# KiCad board EOutside.kicad_pcb (continued)
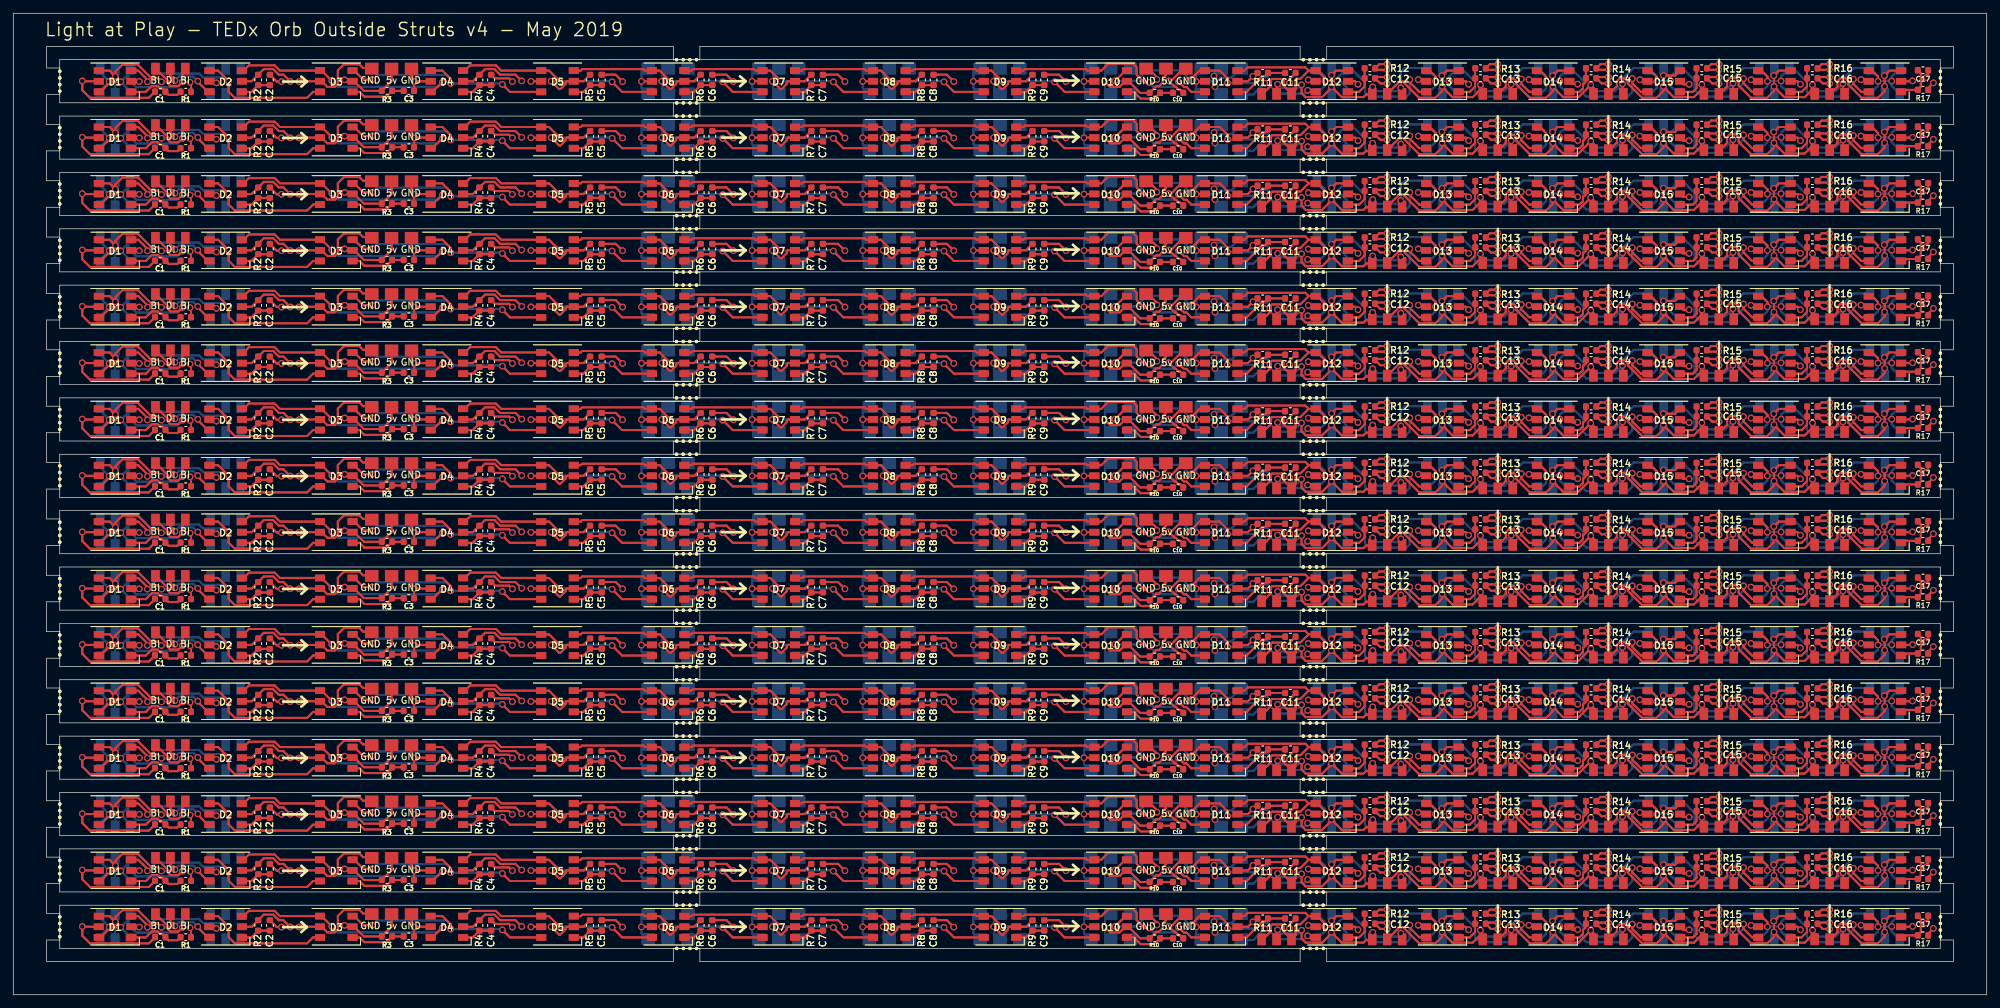
[diagram p0: board, top side]
## Placement (name value [footprint] x y rotation side) (continued)
C13#14  .1uF  [C_0603_1608Metric]  221.06 78.7 0 top
C13#15  .1uF  [C_0603_1608Metric]  221.06 95.7 0 top
C13#16  .1uF  [C_0603_1608Metric]  221.06 95.7 0 top
C13#17  .1uF  [C_0603_1608Metric]  221.06 53.2 0 top
C13#18  .1uF  [C_0603_1608Metric]  221.06 70.2 0 top
C13#19  .1uF  [C_0603_1608Metric]  221.06 44.7 0 top
C13#20  .1uF  [C_0603_1608Metric]  221.06 61.7 0 top
C13#21  .1uF  [C_0603_1608Metric]  221.06 70.2 0 top
C13#22  .1uF  [C_0603_1608Metric]  221.06 53.2 0 top
C13#23  .1uF  [C_0603_1608Metric]  221.06 44.7 0 top
C13#24  .1uF  [C_0603_1608Metric]  221.06 61.7 0 top
C13#25  .1uF  [C_0603_1608Metric]  221.06 27.7 0 top
C13#26  .1uF  [C_0603_1608Metric]  221.06 19.2 0 top
C13#27  .1uF  [C_0603_1608Metric]  221.06 10.7 0 top
C13#28  .1uF  [C_0603_1608Metric]  221.06 10.7 0 top
C13#29  .1uF  [C_0603_1608Metric]  221.06 19.2 0 top
C13#30  .1uF  [C_0603_1608Metric]  221.06 36.2 0 top
C13#31  .1uF  [C_0603_1608Metric]  221.06 27.7 0 top
C13#32  .1uF  [C_0603_1608Metric]  221.06 36.2 0 top
C14  .1uF  [C_0603_1608Metric]  237.73 138.2 0 top
C14#2  .1uF  [C_0603_1608Metric]  237.73 129.7 0 top
C14#3  .1uF  [C_0603_1608Metric]  237.73 121.2 0 top
C14#4  .1uF  [C_0603_1608Metric]  237.73 112.7 0 top
C14#5  .1uF  [C_0603_1608Metric]  237.73 121.2 0 top
C14#6  .1uF  [C_0603_1608Metric]  237.73 112.7 0 top
C14#7  .1uF  [C_0603_1608Metric]  237.73 138.2 0 top
C14#8  .1uF  [C_0603_1608Metric]  237.73 129.7 0 top
C14#9  .1uF  [C_0603_1608Metric]  237.73 87.2 0 top
C14#10  .1uF  [C_0603_1608Metric]  237.73 87.2 0 top
C14#11  .1uF  [C_0603_1608Metric]  237.73 78.7 0 top
C14#12  .1uF  [C_0603_1608Metric]  237.73 104.2 0 top
C14#13  .1uF  [C_0603_1608Metric]  237.73 104.2 0 top
C14#14  .1uF  [C_0603_1608Metric]  237.73 95.7 0 top
C14#15  .1uF  [C_0603_1608Metric]  237.73 78.7 0 top
C14#16  .1uF  [C_0603_1608Metric]  237.73 95.7 0 top
C14#17  .1uF  [C_0603_1608Metric]  237.73 53.2 0 top
C14#18  .1uF  [C_0603_1608Metric]  237.73 44.7 0 top
C14#19  .1uF  [C_0603_1608Metric]  237.73 70.2 0 top
C14#20  .1uF  [C_0603_1608Metric]  237.73 61.7 0 top
C14#21  .1uF  [C_0603_1608Metric]  237.73 70.2 0 top
C14#22  .1uF  [C_0603_1608Metric]  237.73 61.7 0 top
C14#23  .1uF  [C_0603_1608Metric]  237.73 44.7 0 top
C14#24  .1uF  [C_0603_1608Metric]  237.73 53.2 0 top
C14#25  .1uF  [C_0603_1608Metric]  237.73 27.7 0 top
C14#26  .1uF  [C_0603_1608Metric]  237.73 10.7 0 top
C14#27  .1uF  [C_0603_1608Metric]  237.73 10.7 0 top
C14#28  .1uF  [C_0603_1608Metric]  237.73 19.2 0 top
C14#29  .1uF  [C_0603_1608Metric]  237.73 36.2 0 top
C14#30  .1uF  [C_0603_1608Metric]  237.73 36.2 0 top
C14#31  .1uF  [C_0603_1608Metric]  237.73 27.7 0 top
C14#32  .1uF  [C_0603_1608Metric]  237.73 19.2 0 top
C15  .1uF  [C_0603_1608Metric]  254.4 138.2 0 top
C15#2  .1uF  [C_0603_1608Metric]  254.4 129.7 0 top
C15#3  .1uF  [C_0603_1608Metric]  254.4 121.2 0 top
C15#4  .1uF  [C_0603_1608Metric]  254.4 112.7 0 top
C15#5  .1uF  [C_0603_1608Metric]  254.4 121.2 0 top
C15#6  .1uF  [C_0603_1608Metric]  254.4 112.7 0 top
C15#7  .1uF  [C_0603_1608Metric]  254.4 138.2 0 top
C15#8  .1uF  [C_0603_1608Metric]  254.4 129.7 0 top
C15#9  .1uF  [C_0603_1608Metric]  254.4 87.2 0 top
C15#10  .1uF  [C_0603_1608Metric]  254.4 78.7 0 top
C15#11  .1uF  [C_0603_1608Metric]  254.4 104.2 0 top
C15#12  .1uF  [C_0603_1608Metric]  254.4 104.2 0 top
C15#13  .1uF  [C_0603_1608Metric]  254.4 87.2 0 top
C15#14  .1uF  [C_0603_1608Metric]  254.4 78.7 0 top
C15#15  .1uF  [C_0603_1608Metric]  254.4 95.7 0 top
C15#16  .1uF  [C_0603_1608Metric]  254.4 95.7 0 top
C15#17  .1uF  [C_0603_1608Metric]  254.4 53.2 0 top
C15#18  .1uF  [C_0603_1608Metric]  254.4 70.2 0 top
C15#19  .1uF  [C_0603_1608Metric]  254.4 70.2 0 top
C15#20  .1uF  [C_0603_1608Metric]  254.4 44.7 0 top
C15#21  .1uF  [C_0603_1608Metric]  254.4 61.7 0 top
C15#22  .1uF  [C_0603_1608Metric]  254.4 53.2 0 top
C15#23  .1uF  [C_0603_1608Metric]  254.4 44.7 0 top
C15#24  .1uF  [C_0603_1608Metric]  254.4 61.7 0 top
C15#25  .1uF  [C_0603_1608Metric]  254.4 27.7 0 top
C15#26  .1uF  [C_0603_1608Metric]  254.4 19.2 0 top
C15#27  .1uF  [C_0603_1608Metric]  254.4 10.7 0 top
C15#28  .1uF  [C_0603_1608Metric]  254.4 36.2 0 top
C15#29  .1uF  [C_0603_1608Metric]  254.4 10.7 0 top
C15#30  .1uF  [C_0603_1608Metric]  254.4 19.2 0 top
C15#31  .1uF  [C_0603_1608Metric]  254.4 36.2 0 top
C15#32  .1uF  [C_0603_1608Metric]  254.4 27.7 0 top
C16  .1uF  [C_0603_1608Metric]  271.06 138.2 0 top
C16#2  .1uF  [C_0603_1608Metric]  271.06 129.7 0 top
C16#3  .1uF  [C_0603_1608Metric]  271.06 121.2 0 top
C16#4  .1uF  [C_0603_1608Metric]  271.06 112.7 0 top
C16#5  .1uF  [C_0603_1608Metric]  271.06 121.2 0 top
C16#6  .1uF  [C_0603_1608Metric]  271.06 112.7 0 top
C16#7  .1uF  [C_0603_1608Metric]  271.06 138.2 0 top
C16#8  .1uF  [C_0603_1608Metric]  271.06 129.7 0 top
C16#9  .1uF  [C_0603_1608Metric]  271.06 87.2 0 top
C16#10  .1uF  [C_0603_1608Metric]  271.06 78.7 0 top
C16#11  .1uF  [C_0603_1608Metric]  271.06 104.2 0 top
C16#12  .1uF  [C_0603_1608Metric]  271.06 78.7 0 top
C16#13  .1uF  [C_0603_1608Metric]  271.06 95.7 0 top
C16#14  .1uF  [C_0603_1608Metric]  271.06 95.7 0 top
C16#15  .1uF  [C_0603_1608Metric]  271.06 104.2 0 top
C16#16  .1uF  [C_0603_1608Metric]  271.06 87.2 0 top
C16#17  .1uF  [C_0603_1608Metric]  271.06 44.7 0 top
C16#18  .1uF  [C_0603_1608Metric]  271.06 61.7 0 top
C16#19  .1uF  [C_0603_1608Metric]  271.06 61.7 0 top
C16#20  .1uF  [C_0603_1608Metric]  271.06 53.2 0 top
C16#21  .1uF  [C_0603_1608Metric]  271.06 44.7 0 top
C16#22  .1uF  [C_0603_1608Metric]  271.06 70.2 0 top
C16#23  .1uF  [C_0603_1608Metric]  271.06 53.2 0 top
C16#24  .1uF  [C_0603_1608Metric]  271.06 70.2 0 top
C16#25  .1uF  [C_0603_1608Metric]  271.06 27.7 0 top
C16#26  .1uF  [C_0603_1608Metric]  271.06 10.7 0 top
C16#27  .1uF  [C_0603_1608Metric]  271.06 19.2 0 top
C16#28  .1uF  [C_0603_1608Metric]  271.06 10.7 0 top
C16#29  .1uF  [C_0603_1608Metric]  271.06 36.2 0 top
C16#30  .1uF  [C_0603_1608Metric]  271.06 27.7 0 top
C16#31  .1uF  [C_0603_1608Metric]  271.06 36.2 0 top
C16#32  .1uF  [C_0603_1608Metric]  271.06 19.2 0 top
C17  .1uF  [C_0603_1608Metric]  287.73 139.4 0 top
C17#2  .1uF  [C_0603_1608Metric]  287.73 130.9 0 top
C17#3  .1uF  [C_0603_1608Metric]  287.73 122.4 0 top
C17#4  .1uF  [C_0603_1608Metric]  287.73 113.9 0 top
C17#5  .1uF  [C_0603_1608Metric]  287.73 122.4 0 top
C17#6  .1uF  [C_0603_1608Metric]  287.73 113.9 0 top
C17#7  .1uF  [C_0603_1608Metric]  287.73 139.4 0 top
C17#8  .1uF  [C_0603_1608Metric]  287.73 130.9 0 top
C17#9  .1uF  [C_0603_1608Metric]  287.73 88.4 0 top
C17#10  .1uF  [C_0603_1608Metric]  287.73 79.9 0 top
C17#11  .1uF  [C_0603_1608Metric]  287.73 105.4 0 top
C17#12  .1uF  [C_0603_1608Metric]  287.73 88.4 0 top
C17#13  .1uF  [C_0603_1608Metric]  287.73 96.9 0 top
C17#14  .1uF  [C_0603_1608Metric]  287.73 79.9 0 top
C17#15  .1uF  [C_0603_1608Metric]  287.73 105.4 0 top
C17#16  .1uF  [C_0603_1608Metric]  287.73 96.9 0 top
C17#17  .1uF  [C_0603_1608Metric]  287.73 45.9 0 top
C17#18  .1uF  [C_0603_1608Metric]  287.73 54.4 0 top
C17#19  .1uF  [C_0603_1608Metric]  287.73 54.4 0 top
C17#20  .1uF  [C_0603_1608Metric]  287.73 62.9 0 top
C17#21  .1uF  [C_0603_1608Metric]  287.73 62.9 0 top
C17#22  .1uF  [C_0603_1608Metric]  287.73 71.4 0 top
C17#23  .1uF  [C_0603_1608Metric]  287.73 45.9 0 top
C17#24  .1uF  [C_0603_1608Metric]  287.73 71.4 0 top
C17#25  .1uF  [C_0603_1608Metric]  287.73 20.4 0 top
C17#26  .1uF  [C_0603_1608Metric]  287.73 28.9 0 top
C17#27  .1uF  [C_0603_1608Metric]  287.73 20.4 0 top
C17#28  .1uF  [C_0603_1608Metric]  287.73 37.4 0 top
C17#29  .1uF  [C_0603_1608Metric]  287.73 11.9 0 top
C17#30  .1uF  [C_0603_1608Metric]  287.73 37.4 0 top
C17#31  .1uF  [C_0603_1608Metric]  287.73 11.9 0 top
C17#32  .1uF  [C_0603_1608Metric]  287.73 28.9 0 top
D1  WS2813  [LED_WS2812_PLCC6_5.0x5.0mm_P1.6mm]  15.33 137.75 180 top
D1#2  WS2813  [LED_WS2812_PLCC6_5.0x5.0mm_P1.6mm]  15.33 129.25 180 top
D1#3  WS2813  [LED_WS2812_PLCC6_5.0x5.0mm_P1.6mm]  15.33 112.25 180 top
D1#4  WS2813  [LED_WS2812_PLCC6_5.0x5.0mm_P1.6mm]  15.33 120.75 180 top
D1#5  WS2813  [LED_WS2812_PLCC6_5.0x5.0mm_P1.6mm]  15.33 112.25 180 top
D1#6  WS2813  [LED_WS2812_PLCC6_5.0x5.0mm_P1.6mm]  15.33 120.75 180 top
D1#7  WS2813  [LED_WS2812_PLCC6_5.0x5.0mm_P1.6mm]  15.33 129.25 180 top
D1#8  WS2813  [LED_WS2812_PLCC6_5.0x5.0mm_P1.6mm]  15.33 137.75 180 top
D1#9  WS2813  [LED_WS2812_PLCC6_5.0x5.0mm_P1.6mm]  15.33 78.25 180 top
D1#10  WS2813  [LED_WS2812_PLCC6_5.0x5.0mm_P1.6mm]  15.33 86.75 180 top
D1#11  WS2813  [LED_WS2812_PLCC6_5.0x5.0mm_P1.6mm]  15.33 95.25 180 top
D1#12  WS2813  [LED_WS2812_PLCC6_5.0x5.0mm_P1.6mm]  15.33 78.25 180 top
D1#13  WS2813  [LED_WS2812_PLCC6_5.0x5.0mm_P1.6mm]  15.33 95.25 180 top
D1#14  WS2813  [LED_WS2812_PLCC6_5.0x5.0mm_P1.6mm]  15.33 103.75 180 top
D1#15  WS2813  [LED_WS2812_PLCC6_5.0x5.0mm_P1.6mm]  15.33 103.75 180 top
D1#16  WS2813  [LED_WS2812_PLCC6_5.0x5.0mm_P1.6mm]  15.33 86.75 180 top
D1#17  WS2813  [LED_WS2812_PLCC6_5.0x5.0mm_P1.6mm]  15.33 61.25 180 top
D1#18  WS2813  [LED_WS2812_PLCC6_5.0x5.0mm_P1.6mm]  15.33 44.25 180 top
D1#19  WS2813  [LED_WS2812_PLCC6_5.0x5.0mm_P1.6mm]  15.33 61.25 180 top
D1#20  WS2813  [LED_WS2812_PLCC6_5.0x5.0mm_P1.6mm]  15.33 69.75 180 top
D1#21  WS2813  [LED_WS2812_PLCC6_5.0x5.0mm_P1.6mm]  15.33 69.75 180 top
D1#22  WS2813  [LED_WS2812_PLCC6_5.0x5.0mm_P1.6mm]  15.33 52.75 180 top
D1#23  WS2813  [LED_WS2812_PLCC6_5.0x5.0mm_P1.6mm]  15.33 44.25 180 top
D1#24  WS2813  [LED_WS2812_PLCC6_5.0x5.0mm_P1.6mm]  15.33 52.75 180 top
D1#25  WS2813  [LED_WS2812_PLCC6_5.0x5.0mm_P1.6mm]  15.33 35.75 180 top
D1#26  WS2813  [LED_WS2812_PLCC6_5.0x5.0mm_P1.6mm]  15.33 10.25 180 top
D1#27  WS2813  [LED_WS2812_PLCC6_5.0x5.0mm_P1.6mm]  15.33 27.25 180 top
D1#28  WS2813  [LED_WS2812_PLCC6_5.0x5.0mm_P1.6mm]  15.33 18.75 180 top
D1#29  WS2813  [LED_WS2812_PLCC6_5.0x5.0mm_P1.6mm]  15.33 27.25 180 top
D1#30  WS2813  [LED_WS2812_PLCC6_5.0x5.0mm_P1.6mm]  15.33 35.75 180 top
D1#31  WS2813  [LED_WS2812_PLCC6_5.0x5.0mm_P1.6mm]  15.33 18.75 180 top
D1#32  WS2813  [LED_WS2812_PLCC6_5.0x5.0mm_P1.6mm]  15.33 10.25 180 top
D2  WS2813  [LED_WS2812_PLCC6_5.0x5.0mm_P1.6mm]  32 137.75 180 top
D2#2  WS2813  [LED_WS2812_PLCC6_5.0x5.0mm_P1.6mm]  32 129.25 180 top
D2#3  WS2813  [LED_WS2812_PLCC6_5.0x5.0mm_P1.6mm]  32 120.75 180 top
D2#4  WS2813  [LED_WS2812_PLCC6_5.0x5.0mm_P1.6mm]  32 112.25 180 top
D2#5  WS2813  [LED_WS2812_PLCC6_5.0x5.0mm_P1.6mm]  32 120.75 180 top
D2#6  WS2813  [LED_WS2812_PLCC6_5.0x5.0mm_P1.6mm]  32 112.25 180 top
D2#7  WS2813  [LED_WS2812_PLCC6_5.0x5.0mm_P1.6mm]  32 137.75 180 top
D2#8  WS2813  [LED_WS2812_PLCC6_5.0x5.0mm_P1.6mm]  32 129.25 180 top
D2#9  WS2813  [LED_WS2812_PLCC6_5.0x5.0mm_P1.6mm]  32 86.75 180 top
D2#10  WS2813  [LED_WS2812_PLCC6_5.0x5.0mm_P1.6mm]  32 86.75 180 top
D2#11  WS2813  [LED_WS2812_PLCC6_5.0x5.0mm_P1.6mm]  32 78.25 180 top
D2#12  WS2813  [LED_WS2812_PLCC6_5.0x5.0mm_P1.6mm]  32 103.75 180 top
D2#13  WS2813  [LED_WS2812_PLCC6_5.0x5.0mm_P1.6mm]  32 103.75 180 top
D2#14  WS2813  [LED_WS2812_PLCC6_5.0x5.0mm_P1.6mm]  32 95.25 180 top
D2#15  WS2813  [LED_WS2812_PLCC6_5.0x5.0mm_P1.6mm]  32 78.25 180 top
D2#16  WS2813  [LED_WS2812_PLCC6_5.0x5.0mm_P1.6mm]  32 95.25 180 top
D2#17  WS2813  [LED_WS2812_PLCC6_5.0x5.0mm_P1.6mm]  32 52.75 180 top
D2#18  WS2813  [LED_WS2812_PLCC6_5.0x5.0mm_P1.6mm]  32 44.25 180 top
D2#19  WS2813  [LED_WS2812_PLCC6_5.0x5.0mm_P1.6mm]  32 69.75 180 top
D2#20  WS2813  [LED_WS2812_PLCC6_5.0x5.0mm_P1.6mm]  32 61.25 180 top
D2#21  WS2813  [LED_WS2812_PLCC6_5.0x5.0mm_P1.6mm]  32 44.25 180 top
D2#22  WS2813  [LED_WS2812_PLCC6_5.0x5.0mm_P1.6mm]  32 69.75 180 top
D2#23  WS2813  [LED_WS2812_PLCC6_5.0x5.0mm_P1.6mm]  32 61.25 180 top
D2#24  WS2813  [LED_WS2812_PLCC6_5.0x5.0mm_P1.6mm]  32 52.75 180 top
D2#25  WS2813  [LED_WS2812_PLCC6_5.0x5.0mm_P1.6mm]  32 27.25 180 top
D2#26  WS2813  [LED_WS2812_PLCC6_5.0x5.0mm_P1.6mm]  32 10.25 180 top
D2#27  WS2813  [LED_WS2812_PLCC6_5.0x5.0mm_P1.6mm]  32 10.25 180 top
D2#28  WS2813  [LED_WS2812_PLCC6_5.0x5.0mm_P1.6mm]  32 18.75 180 top
D2#29  WS2813  [LED_WS2812_PLCC6_5.0x5.0mm_P1.6mm]  32 18.75 180 top
D2#30  WS2813  [LED_WS2812_PLCC6_5.0x5.0mm_P1.6mm]  32 35.75 180 top
D2#31  WS2813  [LED_WS2812_PLCC6_5.0x5.0mm_P1.6mm]  32 27.25 180 top
D2#32  WS2813  [LED_WS2812_PLCC6_5.0x5.0mm_P1.6mm]  32 35.75 180 top
D3  WS2813  [LED_WS2812_PLCC6_5.0x5.0mm_P1.6mm]  48.67 137.75 180 top
D3#2  WS2813  [LED_WS2812_PLCC6_5.0x5.0mm_P1.6mm]  48.67 129.25 180 top
D3#3  WS2813  [LED_WS2812_PLCC6_5.0x5.0mm_P1.6mm]  48.67 120.75 180 top
D3#4  WS2813  [LED_WS2812_PLCC6_5.0x5.0mm_P1.6mm]  48.67 112.25 180 top
D3#5  WS2813  [LED_WS2812_PLCC6_5.0x5.0mm_P1.6mm]  48.67 120.75 180 top
D3#6  WS2813  [LED_WS2812_PLCC6_5.0x5.0mm_P1.6mm]  48.67 112.25 180 top
D3#7  WS2813  [LED_WS2812_PLCC6_5.0x5.0mm_P1.6mm]  48.67 137.75 180 top
D3#8  WS2813  [LED_WS2812_PLCC6_5.0x5.0mm_P1.6mm]  48.67 129.25 180 top
D3#9  WS2813  [LED_WS2812_PLCC6_5.0x5.0mm_P1.6mm]  48.67 86.75 180 top
D3#10  WS2813  [LED_WS2812_PLCC6_5.0x5.0mm_P1.6mm]  48.67 78.25 180 top
D3#11  WS2813  [LED_WS2812_PLCC6_5.0x5.0mm_P1.6mm]  48.67 103.75 180 top
D3#12  WS2813  [LED_WS2812_PLCC6_5.0x5.0mm_P1.6mm]  48.67 103.75 180 top
D3#13  WS2813  [LED_WS2812_PLCC6_5.0x5.0mm_P1.6mm]  48.67 95.25 180 top
D3#14  WS2813  [LED_WS2812_PLCC6_5.0x5.0mm_P1.6mm]  48.67 86.75 180 top
D3#15  WS2813  [LED_WS2812_PLCC6_5.0x5.0mm_P1.6mm]  48.67 95.25 180 top
D3#16  WS2813  [LED_WS2812_PLCC6_5.0x5.0mm_P1.6mm]  48.67 78.25 180 top
D3#17  WS2813  [LED_WS2812_PLCC6_5.0x5.0mm_P1.6mm]  48.67 44.25 180 top
D3#18  WS2813  [LED_WS2812_PLCC6_5.0x5.0mm_P1.6mm]  48.67 69.75 180 top
D3#19  WS2813  [LED_WS2812_PLCC6_5.0x5.0mm_P1.6mm]  48.67 61.25 180 top
D3#20  WS2813  [LED_WS2812_PLCC6_5.0x5.0mm_P1.6mm]  48.67 69.75 180 top
D3#21  WS2813  [LED_WS2812_PLCC6_5.0x5.0mm_P1.6mm]  48.67 44.25 180 top
D3#22  WS2813  [LED_WS2812_PLCC6_5.0x5.0mm_P1.6mm]  48.67 61.25 180 top
D3#23  WS2813  [LED_WS2812_PLCC6_5.0x5.0mm_P1.6mm]  48.67 52.75 180 top
D3#24  WS2813  [LED_WS2812_PLCC6_5.0x5.0mm_P1.6mm]  48.67 52.75 180 top
D3#25  WS2813  [LED_WS2812_PLCC6_5.0x5.0mm_P1.6mm]  48.67 27.25 180 top
D3#26  WS2813  [LED_WS2812_PLCC6_5.0x5.0mm_P1.6mm]  48.67 18.75 180 top
D3#27  WS2813  [LED_WS2812_PLCC6_5.0x5.0mm_P1.6mm]  48.67 35.75 180 top
D3#28  WS2813  [LED_WS2812_PLCC6_5.0x5.0mm_P1.6mm]  48.67 10.25 180 top
D3#29  WS2813  [LED_WS2812_PLCC6_5.0x5.0mm_P1.6mm]  48.67 35.75 180 top
D3#30  WS2813  [LED_WS2812_PLCC6_5.0x5.0mm_P1.6mm]  48.67 27.25 180 top
D3#31  WS2813  [LED_WS2812_PLCC6_5.0x5.0mm_P1.6mm]  48.67 18.75 180 top
D3#32  WS2813  [LED_WS2812_PLCC6_5.0x5.0mm_P1.6mm]  48.67 10.25 180 top
D4  WS2813  [LED_WS2812_PLCC6_5.0x5.0mm_P1.6mm]  65.33 137.75 180 top
D4#2  WS2813  [LED_WS2812_PLCC6_5.0x5.0mm_P1.6mm]  65.33 129.25 180 top
D4#3  WS2813  [LED_WS2812_PLCC6_5.0x5.0mm_P1.6mm]  65.33 120.75 180 top
D4#4  WS2813  [LED_WS2812_PLCC6_5.0x5.0mm_P1.6mm]  65.33 112.25 180 top
D4#5  WS2813  [LED_WS2812_PLCC6_5.0x5.0mm_P1.6mm]  65.33 120.75 180 top
D4#6  WS2813  [LED_WS2812_PLCC6_5.0x5.0mm_P1.6mm]  65.33 137.75 180 top
D4#7  WS2813  [LED_WS2812_PLCC6_5.0x5.0mm_P1.6mm]  65.33 129.25 180 top
D4#8  WS2813  [LED_WS2812_PLCC6_5.0x5.0mm_P1.6mm]  65.33 112.25 180 top
D4#9  WS2813  [LED_WS2812_PLCC6_5.0x5.0mm_P1.6mm]  65.33 86.75 180 top
D4#10  WS2813  [LED_WS2812_PLCC6_5.0x5.0mm_P1.6mm]  65.33 103.75 180 top
D4#11  WS2813  [LED_WS2812_PLCC6_5.0x5.0mm_P1.6mm]  65.33 95.25 180 top
D4#12  WS2813  [LED_WS2812_PLCC6_5.0x5.0mm_P1.6mm]  65.33 103.75 180 top
D4#13  WS2813  [LED_WS2812_PLCC6_5.0x5.0mm_P1.6mm]  65.33 95.25 180 top
D4#14  WS2813  [LED_WS2812_PLCC6_5.0x5.0mm_P1.6mm]  65.33 78.25 180 top
D4#15  WS2813  [LED_WS2812_PLCC6_5.0x5.0mm_P1.6mm]  65.33 78.25 180 top
D4#16  WS2813  [LED_WS2812_PLCC6_5.0x5.0mm_P1.6mm]  65.33 86.75 180 top
D4#17  WS2813  [LED_WS2812_PLCC6_5.0x5.0mm_P1.6mm]  65.33 61.25 180 top
D4#18  WS2813  [LED_WS2812_PLCC6_5.0x5.0mm_P1.6mm]  65.33 52.75 180 top
D4#19  WS2813  [LED_WS2812_PLCC6_5.0x5.0mm_P1.6mm]  65.33 69.75 180 top
D4#20  WS2813  [LED_WS2812_PLCC6_5.0x5.0mm_P1.6mm]  65.33 61.25 180 top
D4#21  WS2813  [LED_WS2812_PLCC6_5.0x5.0mm_P1.6mm]  65.33 44.25 180 top
D4#22  WS2813  [LED_WS2812_PLCC6_5.0x5.0mm_P1.6mm]  65.33 52.75 180 top
D4#23  WS2813  [LED_WS2812_PLCC6_5.0x5.0mm_P1.6mm]  65.33 44.25 180 top
D4#24  WS2813  [LED_WS2812_PLCC6_5.0x5.0mm_P1.6mm]  65.33 69.75 180 top
D4#25  WS2813  [LED_WS2812_PLCC6_5.0x5.0mm_P1.6mm]  65.33 27.25 180 top
D4#26  WS2813  [LED_WS2812_PLCC6_5.0x5.0mm_P1.6mm]  65.33 35.75 180 top
D4#27  WS2813  [LED_WS2812_PLCC6_5.0x5.0mm_P1.6mm]  65.33 35.75 180 top
D4#28  WS2813  [LED_WS2812_PLCC6_5.0x5.0mm_P1.6mm]  65.33 27.25 180 top
D4#29  WS2813  [LED_WS2812_PLCC6_5.0x5.0mm_P1.6mm]  65.33 10.25 180 top
D4#30  WS2813  [LED_WS2812_PLCC6_5.0x5.0mm_P1.6mm]  65.33 18.75 180 top
D4#31  WS2813  [LED_WS2812_PLCC6_5.0x5.0mm_P1.6mm]  65.33 10.25 180 top
D4#32  WS2813  [LED_WS2812_PLCC6_5.0x5.0mm_P1.6mm]  65.33 18.75 180 top
D5  WS2813  [LED_WS2812_PLCC6_5.0x5.0mm_P1.6mm]  82 137.75 180 top
D5#2  WS2813  [LED_WS2812_PLCC6_5.0x5.0mm_P1.6mm]  82 129.25 180 top
D5#3  WS2813  [LED_WS2812_PLCC6_5.0x5.0mm_P1.6mm]  82 120.75 180 top
D5#4  WS2813  [LED_WS2812_PLCC6_5.0x5.0mm_P1.6mm]  82 112.25 180 top
D5#5  WS2813  [LED_WS2812_PLCC6_5.0x5.0mm_P1.6mm]  82 112.25 180 top
D5#6  WS2813  [LED_WS2812_PLCC6_5.0x5.0mm_P1.6mm]  82 120.75 180 top
D5#7  WS2813  [LED_WS2812_PLCC6_5.0x5.0mm_P1.6mm]  82 137.75 180 top
D5#8  WS2813  [LED_WS2812_PLCC6_5.0x5.0mm_P1.6mm]  82 129.25 180 top
D5#9  WS2813  [LED_WS2812_PLCC6_5.0x5.0mm_P1.6mm]  82 78.25 180 top
D5#10  WS2813  [LED_WS2812_PLCC6_5.0x5.0mm_P1.6mm]  82 86.75 180 top
D5#11  WS2813  [LED_WS2812_PLCC6_5.0x5.0mm_P1.6mm]  82 103.75 180 top
D5#12  WS2813  [LED_WS2812_PLCC6_5.0x5.0mm_P1.6mm]  82 78.25 180 top
D5#13  WS2813  [LED_WS2812_PLCC6_5.0x5.0mm_P1.6mm]  82 86.75 180 top
D5#14  WS2813  [LED_WS2812_PLCC6_5.0x5.0mm_P1.6mm]  82 103.75 180 top
D5#15  WS2813  [LED_WS2812_PLCC6_5.0x5.0mm_P1.6mm]  82 95.25 180 top
D5#16  WS2813  [LED_WS2812_PLCC6_5.0x5.0mm_P1.6mm]  82 95.25 180 top
D5#17  WS2813  [LED_WS2812_PLCC6_5.0x5.0mm_P1.6mm]  82 44.25 180 top
D5#18  WS2813  [LED_WS2812_PLCC6_5.0x5.0mm_P1.6mm]  82 52.75 180 top
D5#19  WS2813  [LED_WS2812_PLCC6_5.0x5.0mm_P1.6mm]  82 69.75 180 top
D5#20  WS2813  [LED_WS2812_PLCC6_5.0x5.0mm_P1.6mm]  82 44.25 180 top
D5#21  WS2813  [LED_WS2812_PLCC6_5.0x5.0mm_P1.6mm]  82 52.75 180 top
D5#22  WS2813  [LED_WS2812_PLCC6_5.0x5.0mm_P1.6mm]  82 61.25 180 top
D5#23  WS2813  [LED_WS2812_PLCC6_5.0x5.0mm_P1.6mm]  82 61.25 180 top
D5#24  WS2813  [LED_WS2812_PLCC6_5.0x5.0mm_P1.6mm]  82 69.75 180 top
D5#25  WS2813  [LED_WS2812_PLCC6_5.0x5.0mm_P1.6mm]  82 18.75 180 top
D5#26  WS2813  [LED_WS2812_PLCC6_5.0x5.0mm_P1.6mm]  82 27.25 180 top
D5#27  WS2813  [LED_WS2812_PLCC6_5.0x5.0mm_P1.6mm]  82 10.25 180 top
D5#28  WS2813  [LED_WS2812_PLCC6_5.0x5.0mm_P1.6mm]  82 18.75 180 top
D5#29  WS2813  [LED_WS2812_PLCC6_5.0x5.0mm_P1.6mm]  82 35.75 180 top
D5#30  WS2813  [LED_WS2812_PLCC6_5.0x5.0mm_P1.6mm]  82 27.25 180 top
D5#31  WS2813  [LED_WS2812_PLCC6_5.0x5.0mm_P1.6mm]  82 35.75 180 top
D5#32  WS2813  [LED_WS2812_PLCC6_5.0x5.0mm_P1.6mm]  82 10.25 180 top
D6  WS2813  [LED_WS2812_PLCC6_5.0x5.0mm_P1.6mm]  98.67 137.75 180 top
D6#2  WS2813  [LED_WS2812_PLCC6_5.0x5.0mm_P1.6mm]  98.67 129.25 180 top
D6#3  WS2813  [LED_WS2812_PLCC6_5.0x5.0mm_P1.6mm]  98.67 112.25 180 top
D6#4  WS2813  [LED_WS2812_PLCC6_5.0x5.0mm_P1.6mm]  98.67 120.75 180 top
D6#5  WS2813  [LED_WS2812_PLCC6_5.0x5.0mm_P1.6mm]  98.67 112.25 180 top
D6#6  WS2813  [LED_WS2812_PLCC6_5.0x5.0mm_P1.6mm]  98.67 120.75 180 top
D6#7  WS2813  [LED_WS2812_PLCC6_5.0x5.0mm_P1.6mm]  98.67 129.25 180 top
D6#8  WS2813  [LED_WS2812_PLCC6_5.0x5.0mm_P1.6mm]  98.67 137.75 180 top
D6#9  WS2813  [LED_WS2812_PLCC6_5.0x5.0mm_P1.6mm]  98.67 78.25 180 top
D6#10  WS2813  [LED_WS2812_PLCC6_5.0x5.0mm_P1.6mm]  98.67 86.75 180 top
D6#11  WS2813  [LED_WS2812_PLCC6_5.0x5.0mm_P1.6mm]  98.67 78.25 180 top
D6#12  WS2813  [LED_WS2812_PLCC6_5.0x5.0mm_P1.6mm]  98.67 86.75 180 top
D6#13  WS2813  [LED_WS2812_PLCC6_5.0x5.0mm_P1.6mm]  98.67 95.25 180 top
D6#14  WS2813  [LED_WS2812_PLCC6_5.0x5.0mm_P1.6mm]  98.67 103.75 180 top
D6#15  WS2813  [LED_WS2812_PLCC6_5.0x5.0mm_P1.6mm]  98.67 103.75 180 top
D6#16  WS2813  [LED_WS2812_PLCC6_5.0x5.0mm_P1.6mm]  98.67 95.25 180 top
D6#17  WS2813  [LED_WS2812_PLCC6_5.0x5.0mm_P1.6mm]  98.67 52.75 180 top
D6#18  WS2813  [LED_WS2812_PLCC6_5.0x5.0mm_P1.6mm]  98.67 44.25 180 top
D6#19  WS2813  [LED_WS2812_PLCC6_5.0x5.0mm_P1.6mm]  98.67 61.25 180 top
D6#20  WS2813  [LED_WS2812_PLCC6_5.0x5.0mm_P1.6mm]  98.67 69.75 180 top
D6#21  WS2813  [LED_WS2812_PLCC6_5.0x5.0mm_P1.6mm]  98.67 69.75 180 top
D6#22  WS2813  [LED_WS2812_PLCC6_5.0x5.0mm_P1.6mm]  98.67 61.25 180 top
D6#23  WS2813  [LED_WS2812_PLCC6_5.0x5.0mm_P1.6mm]  98.67 52.75 180 top
D6#24  WS2813  [LED_WS2812_PLCC6_5.0x5.0mm_P1.6mm]  98.67 44.25 180 top
D6#25  WS2813  [LED_WS2812_PLCC6_5.0x5.0mm_P1.6mm]  98.67 18.75 180 top
D6#26  WS2813  [LED_WS2812_PLCC6_5.0x5.0mm_P1.6mm]  98.67 35.75 180 top
D6#27  WS2813  [LED_WS2812_PLCC6_5.0x5.0mm_P1.6mm]  98.67 27.25 180 top
D6#28  WS2813  [LED_WS2812_PLCC6_5.0x5.0mm_P1.6mm]  98.67 10.25 180 top
D6#29  WS2813  [LED_WS2812_PLCC6_5.0x5.0mm_P1.6mm]  98.67 27.25 180 top
D6#30  WS2813  [LED_WS2812_PLCC6_5.0x5.0mm_P1.6mm]  98.67 35.75 180 top
D6#31  WS2813  [LED_WS2812_PLCC6_5.0x5.0mm_P1.6mm]  98.67 18.75 180 top
D6#32  WS2813  [LED_WS2812_PLCC6_5.0x5.0mm_P1.6mm]  98.67 10.25 180 top
D7  WS2813  [LED_WS2812_PLCC6_5.0x5.0mm_P1.6mm]  115.33 137.75 180 top
D7#2  WS2813  [LED_WS2812_PLCC6_5.0x5.0mm_P1.6mm]  115.33 129.25 180 top
D7#3  WS2813  [LED_WS2812_PLCC6_5.0x5.0mm_P1.6mm]  115.33 120.75 180 top
D7#4  WS2813  [LED_WS2812_PLCC6_5.0x5.0mm_P1.6mm]  115.33 112.25 180 top
D7#5  WS2813  [LED_WS2812_PLCC6_5.0x5.0mm_P1.6mm]  115.33 120.75 180 top
D7#6  WS2813  [LED_WS2812_PLCC6_5.0x5.0mm_P1.6mm]  115.33 112.25 180 top
D7#7  WS2813  [LED_WS2812_PLCC6_5.0x5.0mm_P1.6mm]  115.33 137.75 180 top
D7#8  WS2813  [LED_WS2812_PLCC6_5.0x5.0mm_P1.6mm]  115.33 129.25 180 top
D7#9  WS2813  [LED_WS2812_PLCC6_5.0x5.0mm_P1.6mm]  115.33 86.75 180 top
D7#10  WS2813  [LED_WS2812_PLCC6_5.0x5.0mm_P1.6mm]  115.33 78.25 180 top
D7#11  WS2813  [LED_WS2812_PLCC6_5.0x5.0mm_P1.6mm]  115.33 78.25 180 top
D7#12  WS2813  [LED_WS2812_PLCC6_5.0x5.0mm_P1.6mm]  115.33 86.75 180 top
D7#13  WS2813  [LED_WS2812_PLCC6_5.0x5.0mm_P1.6mm]  115.33 103.75 180 top
D7#14  WS2813  [LED_WS2812_PLCC6_5.0x5.0mm_P1.6mm]  115.33 103.75 180 top
D7#15  WS2813  [LED_WS2812_PLCC6_5.0x5.0mm_P1.6mm]  115.33 95.25 180 top
D7#16  WS2813  [LED_WS2812_PLCC6_5.0x5.0mm_P1.6mm]  115.33 95.25 180 top
D7#17  WS2813  [LED_WS2812_PLCC6_5.0x5.0mm_P1.6mm]  115.33 69.75 180 top
D7#18  WS2813  [LED_WS2812_PLCC6_5.0x5.0mm_P1.6mm]  115.33 44.25 180 top
D7#19  WS2813  [LED_WS2812_PLCC6_5.0x5.0mm_P1.6mm]  115.33 44.25 180 top
D7#20  WS2813  [LED_WS2812_PLCC6_5.0x5.0mm_P1.6mm]  115.33 69.75 180 top
D7#21  WS2813  [LED_WS2812_PLCC6_5.0x5.0mm_P1.6mm]  115.33 61.25 180 top
D7#22  WS2813  [LED_WS2812_PLCC6_5.0x5.0mm_P1.6mm]  115.33 52.75 180 top
D7#23  WS2813  [LED_WS2812_PLCC6_5.0x5.0mm_P1.6mm]  115.33 61.25 180 top
D7#24  WS2813  [LED_WS2812_PLCC6_5.0x5.0mm_P1.6mm]  115.33 52.75 180 top
D7#25  WS2813  [LED_WS2812_PLCC6_5.0x5.0mm_P1.6mm]  115.33 35.75 180 top
D7#26  WS2813  [LED_WS2812_PLCC6_5.0x5.0mm_P1.6mm]  115.33 35.75 180 top
D7#27  WS2813  [LED_WS2812_PLCC6_5.0x5.0mm_P1.6mm]  115.33 10.25 180 top
D7#28  WS2813  [LED_WS2812_PLCC6_5.0x5.0mm_P1.6mm]  115.33 27.25 180 top
D7#29  WS2813  [LED_WS2812_PLCC6_5.0x5.0mm_P1.6mm]  115.33 18.75 180 top
D7#30  WS2813  [LED_WS2812_PLCC6_5.0x5.0mm_P1.6mm]  115.33 10.25 180 top
D7#31  WS2813  [LED_WS2812_PLCC6_5.0x5.0mm_P1.6mm]  115.33 18.75 180 top
D7#32  WS2813  [LED_WS2812_PLCC6_5.0x5.0mm_P1.6mm]  115.33 27.25 180 top
D8  WS2813  [LED_WS2812_PLCC6_5.0x5.0mm_P1.6mm]  132 137.75 180 top
D8#2  WS2813  [LED_WS2812_PLCC6_5.0x5.0mm_P1.6mm]  132 129.25 180 top
D8#3  WS2813  [LED_WS2812_PLCC6_5.0x5.0mm_P1.6mm]  132 120.75 180 top
D8#4  WS2813  [LED_WS2812_PLCC6_5.0x5.0mm_P1.6mm]  132 112.25 180 top
D8#5  WS2813  [LED_WS2812_PLCC6_5.0x5.0mm_P1.6mm]  132 120.75 180 top
D8#6  WS2813  [LED_WS2812_PLCC6_5.0x5.0mm_P1.6mm]  132 112.25 180 top
D8#7  WS2813  [LED_WS2812_PLCC6_5.0x5.0mm_P1.6mm]  132 137.75 180 top
D8#8  WS2813  [LED_WS2812_PLCC6_5.0x5.0mm_P1.6mm]  132 129.25 180 top
D8#9  WS2813  [LED_WS2812_PLCC6_5.0x5.0mm_P1.6mm]  132 86.75 180 top
D8#10  WS2813  [LED_WS2812_PLCC6_5.0x5.0mm_P1.6mm]  132 78.25 180 top
D8#11  WS2813  [LED_WS2812_PLCC6_5.0x5.0mm_P1.6mm]  132 86.75 180 top
D8#12  WS2813  [LED_WS2812_PLCC6_5.0x5.0mm_P1.6mm]  132 78.25 180 top
D8#13  WS2813  [LED_WS2812_PLCC6_5.0x5.0mm_P1.6mm]  132 103.75 180 top
D8#14  WS2813  [LED_WS2812_PLCC6_5.0x5.0mm_P1.6mm]  132 103.75 180 top
D8#15  WS2813  [LED_WS2812_PLCC6_5.0x5.0mm_P1.6mm]  132 95.25 180 top
D8#16  WS2813  [LED_WS2812_PLCC6_5.0x5.0mm_P1.6mm]  132 95.25 180 top
D8#17  WS2813  [LED_WS2812_PLCC6_5.0x5.0mm_P1.6mm]  132 69.75 180 top
D8#18  WS2813  [LED_WS2812_PLCC6_5.0x5.0mm_P1.6mm]  132 52.75 180 top
D8#19  WS2813  [LED_WS2812_PLCC6_5.0x5.0mm_P1.6mm]  132 44.25 180 top
D8#20  WS2813  [LED_WS2812_PLCC6_5.0x5.0mm_P1.6mm]  132 69.75 180 top
D8#21  WS2813  [LED_WS2812_PLCC6_5.0x5.0mm_P1.6mm]  132 61.25 180 top
D8#22  WS2813  [LED_WS2812_PLCC6_5.0x5.0mm_P1.6mm]  132 44.25 180 top
D8#23  WS2813  [LED_WS2812_PLCC6_5.0x5.0mm_P1.6mm]  132 61.25 180 top
D8#24  WS2813  [LED_WS2812_PLCC6_5.0x5.0mm_P1.6mm]  132 52.75 180 top
D8#25  WS2813  [LED_WS2812_PLCC6_5.0x5.0mm_P1.6mm]  132 27.25 180 top
D8#26  WS2813  [LED_WS2812_PLCC6_5.0x5.0mm_P1.6mm]  132 18.75 180 top
D8#27  WS2813  [LED_WS2812_PLCC6_5.0x5.0mm_P1.6mm]  132 35.75 180 top
D8#28  WS2813  [LED_WS2812_PLCC6_5.0x5.0mm_P1.6mm]  132 10.25 180 top
D8#29  WS2813  [LED_WS2812_PLCC6_5.0x5.0mm_P1.6mm]  132 35.75 180 top
D8#30  WS2813  [LED_WS2812_PLCC6_5.0x5.0mm_P1.6mm]  132 27.25 180 top
D8#31  WS2813  [LED_WS2812_PLCC6_5.0x5.0mm_P1.6mm]  132 10.25 180 top
D8#32  WS2813  [LED_WS2812_PLCC6_5.0x5.0mm_P1.6mm]  132 18.75 180 top
D9  WS2813  [LED_WS2812_PLCC6_5.0x5.0mm_P1.6mm]  148.67 137.75 180 top
D9#2  WS2813  [LED_WS2812_PLCC6_5.0x5.0mm_P1.6mm]  148.67 129.25 180 top
D9#3  WS2813  [LED_WS2812_PLCC6_5.0x5.0mm_P1.6mm]  148.67 120.75 180 top
D9#4  WS2813  [LED_WS2812_PLCC6_5.0x5.0mm_P1.6mm]  148.67 112.25 180 top
D9#5  WS2813  [LED_WS2812_PLCC6_5.0x5.0mm_P1.6mm]  148.67 120.75 180 top
D9#6  WS2813  [LED_WS2812_PLCC6_5.0x5.0mm_P1.6mm]  148.67 137.75 180 top
D9#7  WS2813  [LED_WS2812_PLCC6_5.0x5.0mm_P1.6mm]  148.67 112.25 180 top
D9#8  WS2813  [LED_WS2812_PLCC6_5.0x5.0mm_P1.6mm]  148.67 129.25 180 top
D9#9  WS2813  [LED_WS2812_PLCC6_5.0x5.0mm_P1.6mm]  148.67 86.75 180 top
D9#10  WS2813  [LED_WS2812_PLCC6_5.0x5.0mm_P1.6mm]  148.67 86.75 180 top
D9#11  WS2813  [LED_WS2812_PLCC6_5.0x5.0mm_P1.6mm]  148.67 103.75 180 top
D9#12  WS2813  [LED_WS2812_PLCC6_5.0x5.0mm_P1.6mm]  148.67 78.25 180 top
D9#13  WS2813  [LED_WS2812_PLCC6_5.0x5.0mm_P1.6mm]  148.67 103.75 180 top
D9#14  WS2813  [LED_WS2812_PLCC6_5.0x5.0mm_P1.6mm]  148.67 95.25 180 top
D9#15  WS2813  [LED_WS2812_PLCC6_5.0x5.0mm_P1.6mm]  148.67 78.25 180 top
D9#16  WS2813  [LED_WS2812_PLCC6_5.0x5.0mm_P1.6mm]  148.67 95.25 180 top
D9#17  WS2813  [LED_WS2812_PLCC6_5.0x5.0mm_P1.6mm]  148.67 69.75 180 top
D9#18  WS2813  [LED_WS2812_PLCC6_5.0x5.0mm_P1.6mm]  148.67 52.75 180 top
D9#19  WS2813  [LED_WS2812_PLCC6_5.0x5.0mm_P1.6mm]  148.67 44.25 180 top
D9#20  WS2813  [LED_WS2812_PLCC6_5.0x5.0mm_P1.6mm]  148.67 69.75 180 top
D9#21  WS2813  [LED_WS2812_PLCC6_5.0x5.0mm_P1.6mm]  148.67 61.25 180 top
D9#22  WS2813  [LED_WS2812_PLCC6_5.0x5.0mm_P1.6mm]  148.67 61.25 180 top
D9#23  WS2813  [LED_WS2812_PLCC6_5.0x5.0mm_P1.6mm]  148.67 44.25 180 top
D9#24  WS2813  [LED_WS2812_PLCC6_5.0x5.0mm_P1.6mm]  148.67 52.75 180 top
D9#25  WS2813  [LED_WS2812_PLCC6_5.0x5.0mm_P1.6mm]  148.67 35.75 180 top
D9#26  WS2813  [LED_WS2812_PLCC6_5.0x5.0mm_P1.6mm]  148.67 10.25 180 top
D9#27  WS2813  [LED_WS2812_PLCC6_5.0x5.0mm_P1.6mm]  148.67 35.75 180 top
D9#28  WS2813  [LED_WS2812_PLCC6_5.0x5.0mm_P1.6mm]  148.67 27.25 180 top
D9#29  WS2813  [LED_WS2812_PLCC6_5.0x5.0mm_P1.6mm]  148.67 18.75 180 top
D9#30  WS2813  [LED_WS2812_PLCC6_5.0x5.0mm_P1.6mm]  148.67 18.75 180 top
D9#31  WS2813  [LED_WS2812_PLCC6_5.0x5.0mm_P1.6mm]  148.67 27.25 180 top
D9#32  WS2813  [LED_WS2812_PLCC6_5.0x5.0mm_P1.6mm]  148.67 10.25 180 top
D10  WS2813  [LED_WS2812_PLCC6_5.0x5.0mm_P1.6mm]  165.33 137.75 180 top
D10#2  WS2813  [LED_WS2812_PLCC6_5.0x5.0mm_P1.6mm]  165.33 129.25 180 top
D10#3  WS2813  [LED_WS2812_PLCC6_5.0x5.0mm_P1.6mm]  165.33 120.75 180 top
D10#4  WS2813  [LED_WS2812_PLCC6_5.0x5.0mm_P1.6mm]  165.33 112.25 180 top
D10#5  WS2813  [LED_WS2812_PLCC6_5.0x5.0mm_P1.6mm]  165.33 120.75 180 top
